# Altium PCB RFSOC_SAWG.PcbDoc (part 12 of 15)
Units mm, origin at the board's own origin, x right, y up, seen from the top; angles counter-clockwise.
Board outline 221.25 x 100 mm, 8 copper layers (Top Layer, Mid-Layer 2, Mid-Layer 3, Mid-Layer 4, Mid-Layer 5, Mid-Layer 6, Mid-Layer 7, Bottom Layer), stack 1.455 mm thick; 1107 components, 833 nets, 3980 pads, 2483 vias.
Unrouted connection lines stored in the file: 1.
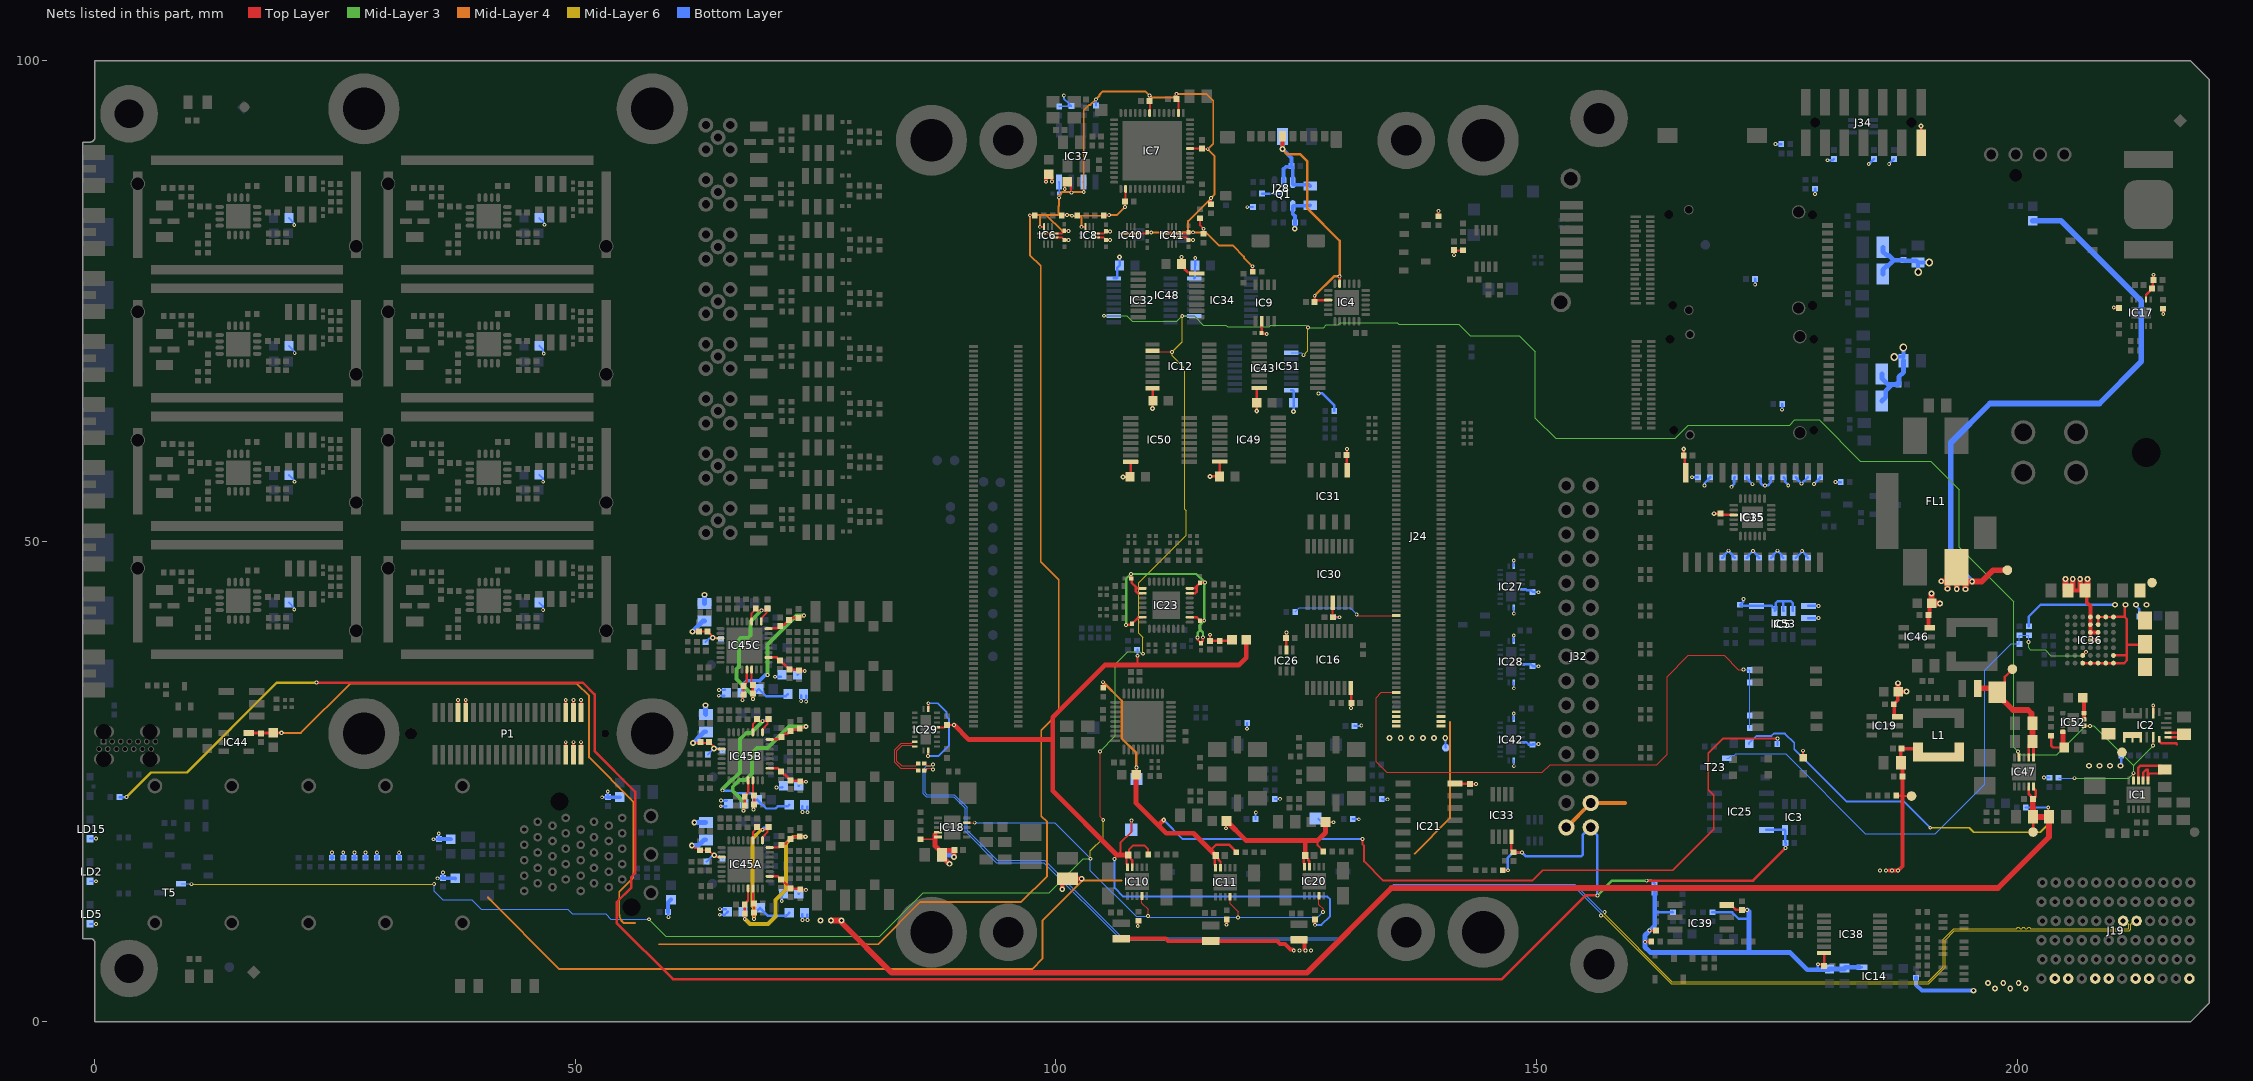
[diagram p18: the nets of this part, all layers, seen from the top]

## Via types
v1: diameter 0.4, hole 0.2, Top Layer to Bottom Layer, tented both sides, 1996 vias
v2: diameter 0.55, hole 0.2, Top Layer to Bottom Layer, 149 vias
v3: diameter 0.5, hole 0.2, Top Layer to Bottom Layer, tented both sides, 106 vias
v4: diameter 0.6, hole 0.3, Top Layer to Bottom Layer, tented both sides, 99 vias
v5: diameter 0.4, hole 0.15, Top Layer to Bottom Layer, tented both sides, 60 vias
v6: diameter 0.6, hole 0.3, Top Layer to Bottom Layer, 32 vias
v7: diameter 0.8, hole 0.5, Top Layer to Bottom Layer, tented both sides, 23 vias
v8: diameter 0.3/0.4/0.4/0.4/0.4/0.3 (per signal layer), hole 0.2, Top Layer to Bottom Layer, tented both sides, 12 vias
v9: diameter 0.4, hole 0.2, Top Layer to Bottom Layer, 5 vias
v10: diameter 0.5, hole 0.2, Top Layer to Bottom Layer, 1 vias

## Nets (pads, with @x,y where several pads share a name; then routed paths per layer and width w, separated by ;. In a path a pad name is that pad's centre, name@x,y a point inside that pad or via, vN(x,y) a via of type N, cw(c..) or ccw(c..) an arc to the next point about the centre after c; other vN are vias at no path point) (continued)
P3V3: B21.1 C43.1 C51.2 C55.1 C58.2 C68.1 C70.1 C71.1 C77.2 C79.1 C80.1 C85.2 C91.2 C95.2 C96.2 C97.2 C99.1 C117.2 C118.2 C119.2 C135.2 C159.2 C161.2 C178.2 C180.2 C181.2 C192.2 C196.2 C197.2 C198.2 C216.2 C217.2 C218.2 C221.2 C222.2 C223.2 C224.2 C226.2 C258.2 C259.2 IC1.1 IC1.2 IC1.3 IC2.2 IC2.7 IC2.8 IC2.9 IC5.1 IC5.2 IC5.8 IC6.6 IC8.6 IC9.2 IC12.16 IC15.21 IC16.16 IC17.2 IC21.16 IC26.5 IC27.1 IC27.6 IC27.10 IC28.1 IC28.6 IC28.10 IC30.13 IC31.1 IC32.16 IC34.16 IC35.24 IC41.6 IC42.1 IC42.6 IC42.10 IC43.16 IC48.16 IC49.16 IC50.16 IC51.16 IC52.8 IC53.4 IC53.5 IC53.6 J34.2 L4.1 L5.1 L7.1 L12.1 L30.1 L31.1 L55.1 L56.1 LD2.2 LD5.2 LD15.2 P1.1 P1.2 P1.3 P1.4 P1.5 P1.6 Q1.4 R3.1 R19.1 R23.1 R33.2 R34.2 R35.2 R41.2 R42.2 R43.2 R44.2 R45.2 R46.2 R49.2 R50.2 R51.2 R52.2 R53.2 R55.2 R56.1 R57.2 R58.2 R68.1 R88.2 R89.2 R101.2 R102.2 R103.2 R104.2 R134.2 R141.2 R167.2 R169.2 R170.2 R190.2 R191.1 R199.1 R200.2 R209.2 R240.2 R259.2 R263.2 R264.2 R265.2 R268.2 R271.2 R284.2 R285.2 R290.2 R291.2 R292.2 | length 161.9
  Top Layer w0.2: IC6.6@99.875,81.625 100.625,81.625 100.775,81.475 100.8,81.475 100.9,81.375 C216.2@100.9,81.35 v1(101.325,81.35) ; IC8.6@104.183,81.625 104.95,81.625 105.2,81.375 C217.2@105.2,81.35 v1(105.625,81.35) ; IC41.6@112.8,81.625 113.55,81.625 113.8,81.375 C135.2@113.8,81.35 113.802,81.352 114.254,81.352 v1(114.256,81.354) ; IC30.13@128.8,43.6 128.8,42.15 C221.2@128.85,42.1 v1(129.5,42.1) ; C226.2@130.25,59 130.3,59.05 v1(130.3,59.6) ; C180.2@130.7,33.15 130.716,33.134 v1(130.716,32.642) ; v1(141.418,79.771) 141.418,80.293 C192.2@141.425,80.3 141.445,80.28 R240.2@142.35,80.28
  Top Layer w0.254: P1.5@49,27.8 v1(49,29.1) ; P1.6@49,32.2 v1(49,33.5) ; P1.3@49.8,27.8 v1(49.8,29.1) ; P1.4@49.8,32.2 v1(49.8,33.5) ; P1.1@50.6,27.8 v1(50.6,29.1) ; P1.2@50.6,32.2 v1(50.6,33.5) ; v3(106.975,56.7) C118.2@107.725,56.7 107.775,56.75 IC50.16@107.775,58.277 ; v1(108.515,9.966) 108.543,9.994 108.543,10.498 R68.1@108.575,10.53 ; v3(110.05,63.825) 110.05,64.577 C96.2@110.087,64.613 110.087,65.888 IC12.16@110.05,65.925 ; v1(113.074,79.576) 113.074,78.66 113.24,78.66 113.423,78.477 113.423,78.277 113.448,78.277 113.752,77.973 114.552,77.973 IC48.16@114.65,77.875 ; v3(116.034,56.75) C58.2@117.025,56.75 117.05,56.775 IC49.16@117.05,58.3 ; v1(117.768,10.11) 117.775,10.116 R56.1@117.775,10.655 ; v3(120.9,63.575) C95.2@120.9,64.4 120.9,65.852 120.998,65.95 IC51.16@121.15,65.95 ; C218.2@121.396,71.673 C218.2@121.396,71.698 ; IC9.2@121.425,72.9 121.396,72.871 C218.2@121.396,71.698 ; v1(121.94,71.555) 121.9,71.555 121.856,71.6 121.494,71.6 C218.2@121.396,71.698 ; v1(123.981,40.502) 123.965,40.486 123.965,39.961 C51.2@123.95,39.946 123.975,39.921 123.975,38.725 IC26.5@124,38.7 ; IC31.1@130.277,57.428 C226.2@130.277,58.972 ; IC16.16@130.675,34.75 130.712,34.712 130.712,33.162 C180.2@130.7,33.15 ; R209.2@139.8,83.845 139.802,83.847 v1(139.804,84.388) v1(139.804,84.388) ; IC21.16@141.525,24.795 143.055,24.795 C159.2@143.1,24.75 143.103,24.747 143.718,24.747 v1(143.721,24.743) ; v3(165.325,59.604) C197.2@165.325,58.925 165.415,58.835 165.415,57.255 IC35.24@165.545,57.125 ; v3(168.471,52.875) C196.2@169.15,52.875 169.266,52.759 170.516,52.759 IC15.21@170.525,52.75 ; J34.2@190.025,91.45 v3(190.025,93.202) ; R271.2@203.55,29.78 203.55,28.75 203.75,28.55 C43.1@204.475,28.55 ; v1(210.066,74.314) 210.083,74.297 210.608,74.297 R190.2@210.625,74.28 ; IC1.3@212.625,25.125 212.625,26.45 212.802,26.627 214.996,26.627 C55.1@215.383,26.24 ; IC1.2@213.125,25.125 213.125,25.925 213.44,26.24 213.6,26.24 ; IC17.2@213.425,75.15 213.425,75.625 214.125,76.325 214.125,77.075 C161.2@214.225,77.175 214.186,77.214 v1(214.186,77.734) ; 213.6,26.1 213.625,26.075 IC1.1@213.625,25.125 213.637,25.137 213.637,25.693 213.786,25.842 214.985,25.842 C55.1@215.295,26.153 ; IC2.2@214.17,32.1 214.172,32.102 214.172,32.922 v1(214.175,32.925) ; R19.1@215.2,74.205 215.2,73.662 v1(215.217,73.644)
  Top Layer w0.4: C226.2@130.25,59 C226.2@130.277,58.972 ; IC31.1@130.277,57.428 IC31.1@130.305,57.4
  Top Layer w0.5: IC52.8@204.775,30.175 204.8,30.15 204.8,28.675 C43.1@204.925,28.55 C43.1@205.156,28.319
  Bottom Layer w0.2: LD5.2@-0.5,10.2 0.125,10.2 v1(0.127,10.198) ; LD2.2@-0.5,14.633 0.125,14.633 v1(0.127,14.631) ; LD15.2@-0.5,19.067 v1(0.127,19.065) v1(0.127,19.065) ; v1(119.9,30.5) R50.2@119.9,31.1 ; v1(119.909,84.767) 120.497,84.767 R200.2@120.505,84.775 ; R41.2@120.77,21.1 120.785,21.115 120.785,21.785 v1(120.8,21.8) ; R89.2@122.77,23.2 122.78,23.21 v1(123.304,23.21) ; R34.2@130.87,21.1 131.515,21.1 131.517,21.102 v1(131.517,21.084) ; R88.2@133.92,23.2 133.96,23.16 v1(134.513,23.16) ; IC42.10@147.628,27.209 147.636,27.201 147.636,26.611 v1(147.645,26.603) ; IC42.1@147.628,31.509 147.633,31.514 147.633,32.087 v1(147.638,32.092) ; IC28.10@147.628,35.316 147.636,35.308 147.636,34.717 v1(147.645,34.709) ; IC28.1@147.628,39.616 147.633,39.621 147.633,40.193 v1(147.638,40.198) ; IC27.10@147.628,43.114 147.636,43.105 147.636,42.515 v1(147.645,42.507) ; IC27.1@147.628,47.414 147.633,47.419 147.633,47.991 v1(147.638,47.996) ; v1(202.794,25.425) 203.355,25.425 R3.1@203.38,25.4
  Bottom Layer w0.254: v1(35.23,19.003) 35.24,19.012 C181.2@35.8,19.012 ; v1(35.668,14.94) 35.677,14.95 36.25,14.95 C178.2@36.26,14.96 ; v1(35.79,19.595) 35.8,19.585 C181.2@35.8,19.025 C181.2@35.8,19.012 ; C181.2@35.81,19.003 C181.2@35.8,19.012 ; C181.2@35.822,19.022 35.812,19.012 C181.2@35.8,19.012 ; v1(36.215,15.557) 36.225,15.548 C178.2@36.225,14.975 C178.2@36.235,14.965 ; v1(52.793,23.365) 52.802,23.375 C258.2@53.375,23.375 C258.2@53.385,23.385 ; v1(53.375,23.967) 53.385,23.957 C258.2@53.385,23.385 ; C258.2@53.395,23.375 C258.2@53.385,23.385 ; C259.2@59.69,11.435 59.671,11.416 59.671,10.913 v1(59.693,10.891) ; IC32.16@106.025,77.352 106.302,77.352 106.4,77.45 106.4,78.475 C117.2@106.625,78.7 106.625,79.353 v3(106.625,79.577) ; IC34.16@114.4,77.352 114.475,77.427 C85.2@114.475,78.7 114.503,78.728 v1(114.503,79.466) ; IC43.16@124.5,65.725 124.627,65.725 124.725,65.627 C77.2@124.725,64.4 124.725,63.747 v3(124.725,63.523) ; v4(124.848,82.525) v4@124.862,82.538 ; C99.1@124.862,83.162 C99.1@124.875,83.175 ; v1(127.323,65.398) 127.727,65.398 128.945,64.18 R141.2@128.945,63.575 ; C222.2@128.829,42.1 v1(129.5,42.1) ; R35.2@131.07,30.8 131.084,30.786 131.689,30.786 131.738,30.835 v1(131.777,30.835) ; IC42.6@148.528,29.109 148.941,29.109 149.2,28.85 C119.2@149.6,28.85 149.625,28.875 150.175,28.875 v1(150.2,28.9) ; IC28.6@148.528,37.216 149.434,37.216 C224.2@149.6,37.05 149.625,37.025 150.175,37.025 v1(150.2,37) ; IC27.6@148.528,45.014 148.911,45.014 149.025,44.9 149.45,44.9 C223.2@149.6,44.75 149.625,44.725 150.175,44.725 v1(150.2,44.7) ; v1(166.188,56.666) 166.193,56.66 166.795,56.66 R167.2@166.8,56.655 ; v1(167.475,55.825) 167.503,55.853 167.503,56.044 167.892,56.433 167.892,56.492 168.055,56.655 R169.2@168.075,56.655 ; R33.2@169.355,48.295 169.375,48.295 169.538,48.458 169.538,48.588 v1(169.975,49.025) 169.975,48.986 170.442,48.519 170.442,48.458 170.605,48.295 R42.2@170.625,48.295 ; v1(170.291,55.674) 170.291,55.713 170.561,55.984 170.561,56.591 R104.2@170.625,56.655 ; v1(171.555,43.989) 171.527,43.961 171.527,43.755 C198.2@171.176,43.403 171.296,43.283 IC5.8@172.901,43.283 174.484,43.283 IC53.4@174.776,42.991 ; R43.2@171.895,48.295 171.915,48.295 172.078,48.458 172.078,48.553 v1(172.525,49) 172.982,48.543 172.982,48.458 173.145,48.295 R44.2@173.165,48.295 ; R103.2@171.895,56.655 171.895,56.524 v1(172.473,55.946) ; R23.1@172.741,77.299 172.751,77.289 172.751,76.721 v1(172.761,76.711) ; R102.2@173.165,56.655 173.185,56.655 173.348,56.492 173.348,56.02 173.521,55.847 173.744,55.847 v1(173.772,55.819) 173.78,55.827 174.077,55.827 174.383,56.133 174.383,56.603 R101.2@174.435,56.655 ; R45.2@174.435,48.295 174.455,48.295 174.618,48.458 174.618,48.568 v1(175.075,49.025) 175.522,48.578 175.522,48.458 175.685,48.295 R46.2@175.705,48.295 ; IC53.4@174.776,42.766 174.9,42.89 174.9,43.566 175.095,43.761 175.694,43.761 ; v1(174.877,91.324) 174.878,91.325 R58.2@175.455,91.325 ; v1(175.565,63.696) 175.568,63.698 175.568,64.273 R191.1@175.57,64.275 ; R57.2@175.705,56.655 175.714,56.655 175.877,56.492 175.877,56.197 176.172,55.902 176.172,55.853 v1(176.2,55.825) ; IC53.5@175.726,42.766 175.694,42.799 175.694,43.761 ; IC53.6@176.676,42.766 176.676,43.557 176.473,43.761 175.694,43.761 ; R49.2@176.975,48.295 176.995,48.295 177.65,48.95 v1(177.65,49) 178.062,48.588 178.062,48.458 178.225,48.295 R51.2@178.245,48.295 ; R55.2@176.975,56.655 176.995,56.655 177.158,56.492 177.158,56.421 v1(177.583,55.997) 177.583,56.013 178.225,56.655 R53.2@178.245,56.655 ; IC5.2@178.301,42.013 179.33,42.013 v1(179.331,42.012) ; IC5.1@178.301,43.283 179.33,43.283 v1(179.331,43.282) ; v1(178.88,55.954) 179.515,56.588 R52.2@179.515,56.655 ; v1(178.99,86.143) 179,86.154 R265.2@179,86.705 ; v1(180.3,89.65) 180.82,89.65 R264.2@180.95,89.78 ; v1(181.1,56.157) 181.106,56.15 R170.2@181.68,56.15 ; v1(184.575,89.25) 184.595,89.25 R263.2@185.125,89.78 ; v1(186.7,89.25) 186.7,89.28 R259.2@187.2,89.78 ; v4@210.826,26.65 210.826,27.72 R268.2@210.827,27.721
  Bottom Layer w0.3: R134.2@24.69,17.071 v1(24.69,17.638) ; R285.2@25.853,17.071 v1(25.853,17.638) ; R284.2@27.017,17.071 v1(27.017,17.638) ; R291.2@28.18,17.071 v1(28.18,17.638) ; R292.2@29.344,17.071 v1(29.344,17.638) ; R290.2@31.671,17.071 v1(31.671,17.638)
  Bottom Layer w0.4: C181.2@35.8,19.025 35.812,19.012 37.038,19.012 L55.1@37.05,19 ; C178.2@36.235,14.965 36.25,14.95 37.475,14.95 L56.1@37.5,14.925 ; C258.2@53.375,23.375 53.395,23.375 L31.1@54.675,23.375 ; C259.2@59.65,11.425 59.65,12.425 L30.1@59.95,12.725 ; v4@124.862,82.538 C99.1@124.862,83.162 ; C99.1@124.875,83.175 124.866,83.184 124.866,83.834 124.647,84.053 Q1.4@124.647,84.868 124.701,84.921 126.396,84.921 R199.1@126.45,84.975 ; v7@187.25,69.2 188.2,69.2 v7@188.2,70.15 ; v7@189.7,78.05 C70.1@189.7,79 ; C70.1@189.9,79 v7@190.85,79
  Bottom Layer w0.5: R134.2@24.69,17.071 R134.2@24.691,17.07 ; R285.2@25.853,17.071 R285.2@25.855,17.07 ; R284.2@27.017,17.071 R284.2@27.018,17.07 ; R291.2@28.18,17.071 R291.2@28.182,17.07 ; R292.2@29.344,17.071 R292.2@29.345,17.07 ; R290.2@31.671,17.071 R290.2@31.673,17.07 ; L4.1@185.95,64.6 186.35,65 186.35,65.672 186.988,66.31 ; L5.1@185.95,67.4 185.95,66.95 186.59,66.31 186.988,66.31 ; L7.1@186.05,77.8 186.05,78.25 186.45,78.65 186.563,78.65 186.909,78.996 187.163,79.25 ; L12.1@186.05,80.6 186.05,80.15 186.45,79.75 186.663,79.75 187.163,79.25 ; C79.1@188.2,68.8 188.2,67.6 187.71,67.11 187.71,66.36 C80.1@187.65,66.3 187.64,66.31 186.988,66.31 ; C70.1@189.7,79 189.51,79.19 188.26,79.19 C71.1@188.2,79.25 187.163,79.25
  other v4: 207.5,26.65 208.592,26.65 209.683,26.65 210.775,26.65
  other v7: 187.23,69.18 188.18,70.17 189.72,78.03 190.87,79.02
P3V3_ADCLK: C190.2 C191.2 C234.2 C239.2 C241.2 C242.2 C243.2 IC23.10 IC23.15 IC23.16 IC23.25 IC23.26 IC23.31 L29.1 | length 35.2
  Top Layer w0.254: v1(107.308,41.302) 107.336,41.33 107.852,41.33 107.852,41.352 C239.2@107.925,41.425 107.925,41.45 107.998,41.523 108.023,41.523 108.591,42.091 109.016,42.091 IC23.31@109.025,42.1 ; v1(107.8,46.6) 107.825,46.575 107.825,46.15 C191.2@107.85,46.125 107.877,46.098 107.877,45.696 108.325,45.248 ; IC23.26@109.025,44.6 109.016,44.609 108.513,44.609 108.325,44.797 108.325,45.248 ; IC23.25@109.025,45.1 108.473,45.1 108.325,45.248 ; IC23.10@113.925,42.1 114.675,42.1 115,41.775 C241.2@115,41.75 115.006,41.756 115.431,41.756 v1(115.437,41.762) ; IC23.15@113.925,44.6 113.934,44.609 114.497,44.609 114.637,44.75 114.637,45.312 ; IC23.16@113.925,45.1 113.934,45.109 114.434,45.109 114.637,45.312 ; v1(114.725,40) 114.753,39.972 114.753,39.757 115.081,39.428 C242.2@115.105,39.428 ; C242.2@115.124,39.514 115.281,39.671 115.281,39.984 v1(115.308,40.012) ; v1(115.5,45.7) C234.2@115,45.7 114.927,45.627 114.927,45.602 114.637,45.312 ; v1(116.023,40.277) 116.037,40.263 116.037,39.663 C243.2@116.05,39.65 C190.2@117.05,39.65 118.2,39.65 L29.1@118.325,39.775
  Mid-Layer 3 w0.254: v1(107.308,41.302) 107.308,46.108 v1(107.8,46.6) 114.6,46.6 v1(115.5,45.7) 115.5,45.66 115.437,45.598 v1(115.437,41.762) 114.989,41.314 114.989,40.832 115.035,40.785 115.308,40.512 v1(115.308,40.012) ; v1(114.725,40) 114.753,40.028 114.753,40.503 114.95,40.7 114.989,40.739
P3V3_AVDD1A: C56A.2 C120A.2 C175A.2 C176A.2 C177A.2 IC45A.5 IC45A.16 L27A.1 | length 22.3
  Top Layer w0.254: v1(67.625,10.716) C177A.2@67.625,11.269 C120A.2@67.625,12.194 ; C120A.2@67.625,12.294 67.966,12.635 67.966,13.885 IC45A.5@67.975,13.894 ; IC45A.16@70.225,18.144 71.175,18.144 C56A.2@71.45,18.419 71.588,18.557 71.888,18.557 C175A.2@72.375,19.044 72.558,19.227 72.665,19.227 72.707,19.269 C176A.2@73.35,19.269 73.355,19.264 73.931,19.264 v3(73.936,19.259)
  Mid-Layer 6 w0.4: v1(67.625,10.716) 67.634,10.716 68.161,10.189 70.039,10.189 70.827,10.977 70.827,12.669 71.917,13.759 71.917,18.541 72.636,19.259 v3@73.909,19.259
  Bottom Layer w0.254: L27A.1@67.443,11.45 67.625,11.268 v1(67.625,10.716)
P3V3_AVDD1B: C56B.2 C120B.2 C175B.2 C176B.2 C177B.2 IC45B.5 IC45B.16 L27B.1 | length 22.6
  Top Layer w0.254: v1(67.513,21.971) 67.541,21.999 67.541,22.426 C177B.2@67.625,22.51 C120B.2@67.625,23.435 ; C120B.2@67.625,23.535 67.725,23.535 67.808,23.618 67.808,23.718 67.975,23.885 IC45B.5@67.975,25.135 ; IC45B.16@70.225,29.385 71.175,29.385 C56B.2@71.45,29.66 71.786,29.996 72.086,29.996 C175B.2@72.375,30.285 ; C175B.2@72.558,30.468 72.615,30.411 73.251,30.411 C176B.2@73.35,30.51 73.512,30.672 73.953,30.672 v3(74,30.719)
  Mid-Layer 3 w0.38: 66.656,23.752 66.654,23.752 66.378,24.028 66.378,24.222 66.39,24.234 66.39,24.46 66.83,24.9
  Mid-Layer 3 w0.4: 66.656,23.752 67.513,22.895 v1(67.513,21.971) ; 66.83,24.9 67.08,25.15 67.675,25.15 68.375,25.85 68.375,28 68.875,28.5 70,28.5 72.219,30.719 v3(74,30.719)
  Bottom Layer w0.254: v1(67.513,21.971) 67.513,22.709 L27B.1@67.545,22.74
P3V3_AVDD1C: C56C.2 C120C.2 C175C.2 C176C.2 C177C.2 IC45C.5 IC45C.16 L27C.1 | length 20.5
  Top Layer w0.254: v1(67.396,33.473) 67.424,33.501 67.424,34.025 67.413,34.035 67.497,34.119 67.497,34.785 C120C.2@67.406,34.876 ; C120C.2@67.405,34.876 C120C.2@67.497,34.968 ; C120C.2@67.497,35.068 67.838,35.409 67.838,36.659 IC45C.5@67.847,36.668 ; IC45C.16@70.113,40.934 70.121,40.927 70.413,40.927 70.421,40.934 71.063,40.934 C56C.2@71.322,41.193 71.46,41.331 71.76,41.331 C175C.2@72.247,41.818 72.43,42.001 72.536,42.001 72.578,42.043 C176C.2@73.222,42.043 73.405,42.226 73.669,42.226 73.735,42.292 v1(73.775,42.292)
  Mid-Layer 3 w0.4: v1(70,36.1) 70,39.275 73.017,42.292 v1(73.775,42.292)
  Bottom Layer w0.254: L27C.1@67.344,34.243 67.396,34.191 v1(67.396,33.473)
  Bottom Layer w0.4: L27C.1@67.344,34.243 67.45,34.349 67.45,35.1 67.85,35.5 69.166,35.5 69.766,36.1 v1(70,36.1)
P3V3_AVRF1A: C121A.2 C122A.2 C127A.2 IC45A.10 L28A.1 | length 5.3
  Top Layer w0.254: IC45A.10@70.225,15.144 71.075,15.144 C127A.2@71.4,14.819 71.736,14.483 71.815,14.483 71.964,14.334 71.964,14.324 C122A.2@72.391,13.898 72.443,13.846 73.348,13.846 C121A.2@73.4,13.794 73.425,13.769 73.975,13.769 v1(74,13.744)
  Bottom Layer w0.254: L28A.1@73.243,13.341 73.243,13.366 73.591,13.714 73.616,13.714 73.618,13.716 73.972,13.716 v1(74,13.744)
P3V3_AVRF1B: C121B.2 C122B.2 C127B.2 IC45B.10 L28B.1 | length 5.3
  Top Layer w0.254: IC45B.10@70.225,26.385 71.075,26.385 C127B.2@71.4,26.06 71.736,25.724 71.815,25.724 71.964,25.575 71.964,25.565 C122B.2@72.391,25.139 72.443,25.087 73.348,25.087 C121B.2@73.4,25.035 73.425,25.01 73.975,25.01 v1(74,24.985)
  Bottom Layer w0.254: L28B.1@73.243,24.582 73.243,24.607 73.591,24.955 73.616,24.955 73.618,24.957 73.972,24.957 v1(74,24.985)
P3V3_AVRF1C: C121C.2 C122C.2 C127C.2 IC45C.10 L28C.1 | length 5.3
  Top Layer w0.254: IC45C.10@70.097,37.918 70.947,37.918 71.608,37.257 71.687,37.257 71.836,37.108 71.836,37.099 C122C.2@72.262,36.672 72.314,36.62 73.22,36.62 C121C.2@73.272,36.568 73.297,36.543 73.847,36.543 v1(73.872,36.518)
  Bottom Layer w0.254: L28C.1@73.115,36.116 73.115,36.141 73.463,36.489 73.488,36.489 73.49,36.49 73.844,36.49 v1(73.872,36.518)
P3V3_DVDDA: C26A.2 C28A.2 C29A.2 IC45A.27 L26A.2 R214A.1 | length 7.5
  Top Layer w0.2: v4(62.118,18.366) 62.138,18.366 62.435,18.069 62.79,18.069 63,17.859 C29A.2@63.825,17.859 63.9,17.859 64.347,17.412 64.347,17.27 64.453,17.163 65.206,17.163 IC45A.27@65.225,17.144
  Bottom Layer w0.2: C28A.2@63.65,16.675 64.318,17.343 v4(64.448,17.343) ; v4@64.423,17.193 65.004,17.193 65.016,17.181 65.141,17.181 R214A.1@65.331,16.991
  Bottom Layer w0.5: v4(62.118,18.366) 62.847,18.366 63.425,18.944 L26A.2@63.575,18.944
P3V3_DVDDB: C26B.2 C28B.2 C29B.2 IC45B.27 L26B.2 R214B.1 | length 7.1
  Top Layer w0.2: v4(62.25,29.025) 63.825,29.025 C29B.2@63.9,29.1 64.347,28.653 64.347,28.51 v4(64.423,28.434) 64.453,28.404 65.206,28.404 IC45B.27@65.225,28.385
  Bottom Layer w0.2: C28B.2@63.775,27.8 64.409,28.434 v4(64.423,28.434) 65.004,28.434 65.016,28.422 65.141,28.422 R214B.1@65.331,28.232
  Bottom Layer w0.5: v4@62.25,29.05 62.299,29.05 63.002,29.752 63.002,29.761 63.425,30.185 L26B.2@63.575,30.185
P3V3_DVDDC: C26C.2 C28C.2 C29C.2 IC45C.27 L26C.2 R214C.1 | length 6.8
  Top Layer w0.2: v4@62.301,40.615 62.853,40.615 C26C.2@62.872,40.633 C29C.2@63.772,40.633 64.218,40.187 64.218,40.044 v4(64.295,39.967) 64.325,39.937 65.078,39.937 IC45C.27@65.097,39.918
  Bottom Layer w0.2: C28C.2@63.525,39.5 63.916,39.891 64.218,39.891 v4(64.295,39.967) 64.337,39.925 65.093,39.925 R214C.1@65.136,39.882
  Bottom Layer w0.5: v4(62.187,40.599) 62.187,40.608 63.297,41.718 L26C.2@63.447,41.718
P3V3_LDO1: C204.2 IC11.9 IC11.10 L38.2 R22.1 R61.2 R79.2 TP27.1 | length 112.9
  Top Layer w0.2: L38.2@108.35,25.7 108.375,25.725 v1(108.375,26.45) ; v1(131.9,19.024) 131.9,18.5 132.075,18.325 132.075,16.7 134.075,14.7 149.575,14.7 150.65,15.775 164.175,15.775 168.45,20.05 168.45,23.575 167.875,24.15 167.875,27.95 169.4,29.475 v1(175.075,29.475)
  Top Layer w0.254: R22.1@104.9,34.77 104.906,34.776 104.906,35.339 v1(104.912,35.345) ; 116.084,17.856 116.679,18.45 118,18.45 118.78,17.67 R61.2@118.78,17.65 ; IC11.10@116.625,16.025 116.625,16.275 116.513,16.387 116.513,17.173 C204.2@116.64,17.3 ; C204.2@116.754,17.186 116.868,17.072 116.868,17.001 116.951,16.918 116.951,16.835 117.125,16.661 IC11.9@117.125,16.025
  Top Layer w0.5: L38.2@108.35,25.347 108.35,22.75 110.55,20.55 ; v3(111.223,21.006) 110.767,20.55 110.55,20.55 ; C204.2@116.64,17.3 116.64,17.305 116.535,17.41 116.53,17.41 116.084,17.856 114.315,19.625 111.475,19.625 110.55,20.55
  Mid-Layer 4 w0.254: v1(104.912,35.345) 106.85,33.408 106.85,29.5 108.375,27.975 v1(108.375,26.45)
  Bottom Layer w0.2: v1(108.375,26.45) TP27.1@108.375,25.275 TP27.1@108.475,25.175 ; v3(111.223,21.006) 113.205,19.023 117.125,19.023 v1(131.9,19.024) ; R79.2@175.07,28.825 R79.2@175.07,28.925 175.07,29.47 v1(175.075,29.475)
P3V3_LDO2: C225.2 C279.2 IC10.9 IC10.10 IC29.1 IC29.6 IC29.10 L29.2 R54.1 R70.2 R74.2 TP25.1 | length 109.4
  Top Layer w0.2: v1(86.7,27.658) 86.713,27.671 86.713,28.238 IC29.1@86.725,28.25 ; IC29.10@86.725,32.55 v1(86.725,33.15) ; IC29.6@87.625,30.65 88.425,30.65 C225.2@88.675,30.9 88.679,30.896 v1(89.413,30.896) ; 106.226,17.13 106.352,17.256 ; 106.352,17.362 106.352,17.256 ; C279.2@107.537,17.362 107.587,17.412 107.587,17.905 108.047,18.364 109.211,18.364 109.605,17.97 R70.2@109.605,17.4 ; v1(107.875,20.975) 107.875,19.775 106.721,18.621 106.721,17.625 106.458,17.362 106.352,17.256 ; v1(108.507,38.097) 108.507,37.345 108.577,37.275
  Top Layer w0.254: IC10.10@107.45,16.1 107.45,16.35 107.347,16.453 107.347,17.172 C279.2@107.46,17.285 ; C279.2@107.537,17.362 107.765,17.134 107.765,16.98 107.95,16.795 IC10.9@107.95,16.1 ; v1(126.95,10.1) R54.1@126.95,10.655
  Top Layer w0.5: v1(89.413,30.896) 90.935,29.375 99.677,29.375 ; C279.2@107.537,17.362 106.458,17.362 106.352,17.362 99.677,24.037 99.677,29.375 ; L29.2@119.825,39.775 119.8,39.75 119.8,37.9 119.025,37.125 105.1,37.125 99.677,31.702 99.677,29.375
  Bottom Layer w0.2: v1(86.7,27.658) 87.783,27.658 88.896,28.771 88.896,30.896 ; v1(86.725,33.15) 87.7,33.15 88.625,32.225 88.625,31.757 88.896,31.486 88.896,30.896 ; v1(89.413,30.896) 88.896,30.896 ; v1(106.1,16.95) 106.1,13.95 107.025,13.025 128.25,13.025 128.525,12.75 128.525,11 127.625,10.1 v1(126.95,10.1) ; v1(107.875,20.975) 107.875,20.025 TP25.1@107.95,19.95 ; R74.2@108.5,38.73 108.507,38.723 v1(108.507,38.097)